# Altium PCB 10515.0462_全联供主板(2拼版)_V1.0.PcbDoc (part 4 of 18) (continued)
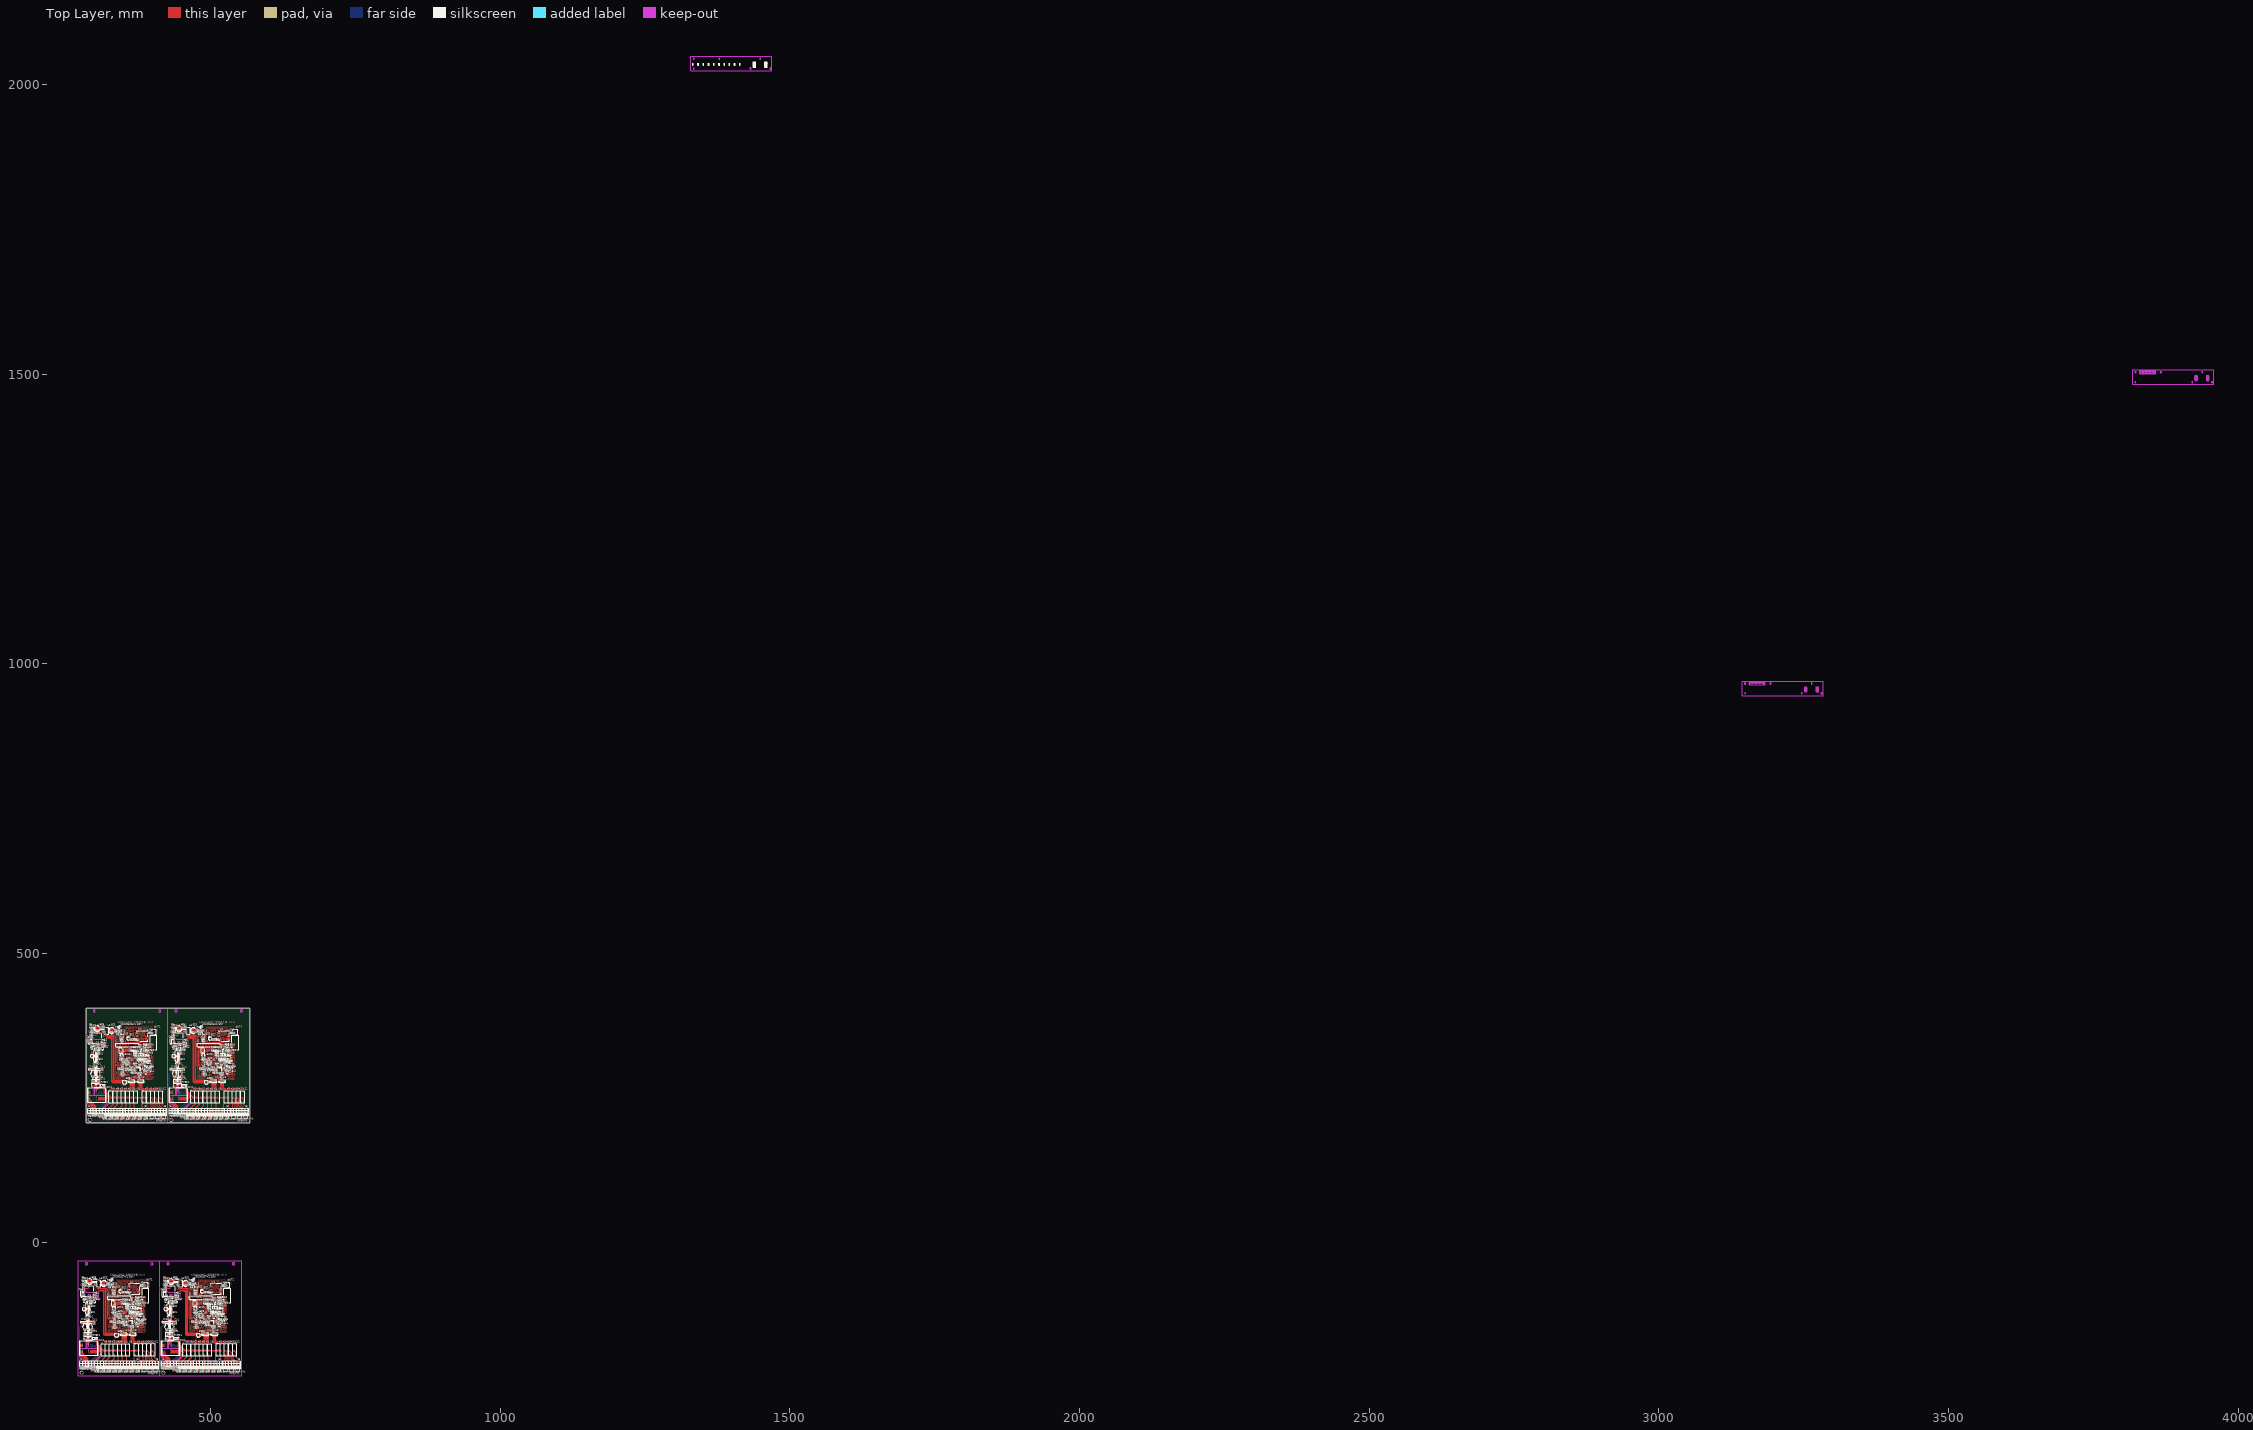
[diagram p0: Top Layer view]
## Nets (pads, with @x,y where several pads share a name; then routed paths per layer and width w, separated by ;. In a path a pad name is that pad's centre, name@x,y a point inside that pad or via, vN(x,y) a via of type N, cw(c..) or ccw(c..) an arc to the next point about the centre after c; other vN are vias at no path point) (continued)
499.227,-98.679 499.227,-99.428 499.501,-99.702 512.69,-99.702 513.109,-100.121 513.109,-100.864 513.109,-113.202 513.344,-113.437 514.233,-113.437 514.614,-113.818 ; 496.061,-93.917 cw(c496.061,-95.516) 497.191,-94.386 cw(c498.321,-93.255) 496.723,-93.255 ; 496.061,-93.717 cw(c496.061,-94.833) 496.85,-94.044 cw(c497.638,-93.255) 496.523,-93.255 ; 496.061,-93.255 497.215,-94.41 497.215,-97.543 497.469,-97.797 498.911,-97.797 499.311,-98.197 505.871,-98.197 ; 496.099,-105.32 496.099,-106.298 495.703,-106.694 495.703,-123.216 495.703,-123.26 496.072,-123.629 501.819,-123.629 502.772,-124.582 502.772,-131.621 ; 496.099,-103.669 496.443,-103.669 496.106,-103.669 ; 496.131,-129.754 496.131,-130.514 496.453,-130.836 497.596,-130.836 ; 496.233,-154.85 496.233,-152.818 496.868,-152.183 500.297,-152.183 501.272,-151.208 501.272,-143.921 ; v1(496.239,329.381) 495.75,329.87 495.75,344.494 495.75,345.256 496.347,345.853 529.983,345.853 530.656,346.526 530.656,349.955 531.166,350.465 531.632,350.465 ; 496.324,-114.27 ccw(c495.778,-113.724) 496.551,-113.724 ; 496.334,-112.96 cw(c495.811,-113.483) 496.551,-113.483 cw(c497.29,-113.483) 496.767,-112.96 ; v1(496.366,326.206) 496.493,326.333 504.897,326.333 505.332,325.899 505.332,303.949 505.33,303.947 505.33,302.746 505.332,302.744 505.332,302.023 505.781,301.574 509.001,301.574 ; v1@496.401,326.171 cw(c496.793,325.779) 496.793,326.333 ; v1@496.543,326.03 cw(c497.276,325.296) 497.276,326.333 ; 496.551,-114.439 496.551,-112.743 ; 496.551,-113.77 ccw(c497.258,-113.77) 496.758,-114.27 ; 496.707,340.255 cw(c496.024,339.572) 496.99,339.572 cw(c497.955,339.572) 497.273,340.255 ; v1@496.751,345.002 cw(c496.147,345.002) 496.574,344.576 cw(c497.001,344.149) v1@497.001,344.752 ; v1@496.824,329.05 ccw(c496.397,329.477) 497.001,329.477 ccw(c497.604,329.477) v1@497.178,329.05 ; 496.99,340.8 496.99,330.282 497.651,329.62 497.651,328.731 498.212,328.17 506.594,328.17 506.932,327.832 506.932,310.839 507.313,310.458 512.627,310.458 513.401,309.685 513.401,304.974 ; 496.99,343.34 497.79,342.54 497.79,330.128 498.051,329.867 498.051,328.897 498.378,328.57 506.76,328.57 507.332,327.998 507.332,311.303 507.669,310.966 513.127,310.966 513.901,310.193 513.901,304.974 ; v1(497.001,328.873) 497.001,329.635 496.15,330.486 496.15,344.151 v1(497.001,345.002) ; 497.024,342.881 cw(c497.144,342.179) 497.647,342.682 ; v1@497.382,324.559 cw(c497.382,323.956) 497.809,324.383 cw(c498.235,324.809) v1@497.632,324.809 ; v1(497.382,324.809) 498.032,324.159 499.287,324.159 499.537,324.409 503.878,324.409 504.132,324.155 504.132,304.446 504.13,304.444 504.13,302.249 504.132,302.247 504.132,301.457 505.514,300.074 509.001,300.074 ; 497.39,343.078 ccw(c497.723,343.078) 497.487,342.842 ; 497.457,-130.836 cw(c497.457,-131.271) 497.765,-130.963 ; 497.543,295.461 497.543,294.202 ; 497.66,-130.9 ccw(c497.772,-130.788) 497.772,-130.946 ; 497.762,-130.959 ccw(c497.596,-131.01) 497.596,-130.836 ; 497.772,-143.921 497.772,-141.963 498.104,-141.631 504.835,-141.631 505.455,-141.011 505.455,-133.645 505.978,-133.122 v1(506.613,-133.122) ; 497.772,-131.621 497.772,-131.012 497.596,-130.836 ; 497.782,-129.754 498.272,-130.244 498.272,-131.621 ; 497.833,-130.061 cw(c497.855,-130.623) 498.253,-130.225 cw(c498.587,-129.891) 498.122,-129.808 ; 497.985,-116.474 cw(c497.462,-116.997) 498.202,-116.997 cw(c498.941,-116.997) 498.418,-116.474 ; v1@498.094,344.318 cw(c497.667,343.891) 498.271,343.891 cw(c498.874,343.891) v1@498.448,344.318 ; 498.202,-116.257 498.202,-120.243 498.202,-122.818 498.599,-123.216 502.93,-123.216 503.272,-123.558 503.272,-131.621 ; v1(498.271,344.494) 498.271,330.213 498.73,329.754 ; 498.601,-95.795 498.601,-96.916 498.866,-97.181 502.422,-97.181 503.946,-95.657 505.871,-95.657 ; 498.601,-93.917 cw(c498.601,-95.516) 499.731,-94.386 cw(c500.861,-93.255) 499.263,-93.255 ; 498.601,-93.717 cw(c498.601,-94.833) 499.39,-94.044 cw(c500.178,-93.255) 499.063,-93.255 ; 498.601,-93.255 499.86,-94.514 501.857,-94.514 502.619,-93.752 524.52,-93.752 525.047,-94.279 525.047,-144.533 524.412,-145.168 511.224,-145.168 510.692,-144.636 510.692,-141.115 510.098,-140.521 507.672,-140.521 ; v1@498.602,329.431 ccw(c498.294,329.739) 498.73,329.739 ; v1(498.652,324.809) 504.367,324.809 504.532,324.644 504.532,304.28 504.53,304.278 504.53,302.415 504.532,302.413 504.532,301.622 505.58,300.574 509.001,300.574 ; v1(498.779,329.254) 498.73,329.304 498.73,329.754 ; v1@498.829,324.633 cw(c499.255,324.206) 499.255,324.809 cw(c499.255,325.413) v1@498.829,324.986 ; 498.841,342.651 cw(c499.407,342.085) 499.505,342.88 ; v1@498.897,329.475 cw(c499.046,329.754) 498.73,329.754 ; 499.032,342.842 ccw(c498.797,343.078) 499.13,343.078 ; 499.245,300.16 499.271,300.135 ; 499.247,340.255 cw(c498.564,339.572) 499.53,339.572 cw(c500.495,339.572) 499.813,340.255 ; 499.53,340.8 499.53,330.155 500.314,329.37 507.807,329.37 508.132,329.045 508.132,312.192 508.558,311.766 514.089,311.766 514.901,310.955 514.901,304.974 ; 499.53,343.34 498.682,342.493 498.682,330.367 500.079,328.97 507.318,328.97 507.732,328.556 507.732,311.684 508.05,311.366 513.608,311.366 514.401,310.574 514.401,304.974 ; 499.57,-80.413 ccw(c498.887,-81.096) 498.887,-80.13 ; 499.57,-79.847 cw(c498.887,-79.164) 498.887,-80.13 ; 499.57,-74.413 ccw(c498.887,-75.096) 498.887,-74.13 ccw(c498.887,-73.164) 499.57,-73.847 ; 499.57,-72.413 ccw(c498.887,-73.096) 498.887,-72.13 ccw(c498.887,-71.164) 499.57,-71.847 ; 499.89,-119.126 cw(c499.367,-119.649) 500.107,-119.649 cw(c500.846,-119.649) 500.323,-119.126 ; v1@499.922,323.666 v1(500.176,323.666) 503.097,323.666 503.732,323.031 503.732,304.612 503.73,304.61 503.73,302.083 503.732,302.081 503.732,301.21 505.368,299.574 509.001,299.574 ; 500.107,-118.909 500.107,-121.154 500.263,-121.311 507.629,-121.311 507.968,-121.65 507.968,-131.177 507.524,-131.621 505.272,-131.621 ; 500.303,-80.13 498.887,-80.13 ; v1@500.307,330.143 ccw(c499.703,330.143) 500.13,330.57 ccw(c500.557,330.997) v1@500.557,330.393 ; v1@500.353,323.49 cw(c500.779,323.063) 500.779,323.666 cw(c500.779,324.27) v1@500.353,323.843 ; v1@500.38,344.318 cw(c499.953,343.891) 500.557,343.891 cw(c501.16,343.891) v1@500.734,344.318 ; v1(500.557,330.143) 500.049,330.651 500.049,339.426 500.557,339.934 v1(500.557,344.494) ; 500.73,300.135 500.756,300.135 ; 500.816,298.48 cw(c500.133,297.797) 501.099,297.797 cw(c502.064,297.797) 501.382,298.48 ; 501.099,298.763 501.099,297.747 501.283,297.563 508.99,297.563 509.001,297.574 ; 501.141,-93.255 525.04,-93.255 525.447,-93.663 525.447,-144.768 524.647,-145.568 511.058,-145.568 510.203,-144.713 510.203,-141.388 509.836,-141.021 507.672,-141.021 ; 501.313,-95.623 501.141,-95.795 502.784,-94.152 524.158,-94.152 524.647,-94.641 524.647,-144.367 524.246,-144.768 511.389,-144.768 511.092,-144.471 511.092,-140.753 510.36,-140.021 507.672,-140.021 ; 501.468,-93.582 cw(c502.256,-94.371) 502.256,-93.255 cw(c502.256,-92.14) 501.468,-92.929 ; 501.609,-93.724 cw(c502.739,-94.854) 502.739,-93.255 cw(c502.739,-91.657) 501.609,-92.787 ; 501.758,-109.765 501.782,-109.79 ; 501.772,-143.921 501.772,-151.649 502.587,-152.464 503.753,-152.464 503.98,-152.691 503.98,-154.85 ; 501.78,-114.423 501.948,-114.591 ; 501.78,-112.803 501.782,-112.801 ; 502.065,282.672 ccw(c501.638,283.099) 502.242,283.099 ccw(c502.845,283.099) 502.419,282.672 ; 502.135,300.498 502.462,300.171 504.135,300.171 505.233,299.074 509.001,299.074 ; 502.242,281.745 502.242,286.317 502.896,286.971 511.386,286.971 511.901,287.486 511.901,292.674 ; 502.272,-143.921 502.272,-151.387 502.949,-152.064 504.877,-152.064 505.25,-152.437 505.25,-154.85 ; 502.526,331.058 cw(c502.003,330.535) 502.743,330.535 cw(c503.483,330.535) 502.96,331.058 ; 502.623,298.763 502.623,298.31 502.97,297.963 507.746,297.963 507.857,298.074 509.001,298.074 ; 502.687,299.943 cw(c503.238,299.393) 503.238,300.171 ; 502.687,300.377 ccw(c503.183,300.872) 503.183,300.171 ; 502.743,331.275 502.743,330.124 503.097,329.77 508.143,329.77 508.532,329.381 508.532,312.49 508.856,312.166 514.697,312.166 515.401,311.463 515.401,304.974 ; 502.743,332.926 v1@503.385,332.926 ; 502.772,-143.921 502.772,-150.998 503.438,-151.664 506.255,-151.664 506.52,-151.929 506.52,-154.85 ; 503.028,332.745 cw(c503.385,332.484) v1@503.385,332.926 ; 503.028,333.107 ccw(c503.385,333.368) v1@503.385,332.926 ; 503.272,-143.921 503.272,-147.357 503.853,-147.938 503.853,-148.31 ; 503.335,282.672 ccw(c502.908,283.099) 503.512,283.099 ccw(c504.115,283.099) 503.689,282.672 ; v1@503.335,332.749 ccw(c502.908,332.323) 502.908,332.926 ccw(c502.908,333.53) v1@503.335,333.103 ; 503.443,-147.528 cw(c502.709,-148.262) 503.747,-148.271 ; v1@503.502,-122.25 cw(c502.851,-122.901) 503.772,-122.901 ; 503.512,281.745 503.512,285.809 504.274,286.571 511.767,286.571 512.401,287.205 512.401,292.674 ; v1@503.644,-122.108 cw(c503.334,-122.418) 503.772,-122.418 ; 503.772,-143.921 503.772,-147.149 504.107,-147.484 504.869,-147.484 505.123,-147.738 505.123,-150.856 505.377,-151.11 507.479,-151.11 507.79,-151.421 507.79,-154.85 ; 503.772,-131.621 v1@503.772,-122.166 ; 503.772,-122.452 cw(c504.058,-122.452) v1@503.856,-122.25 ; 503.772,-116.75 503.772,-116.641 ; 503.78,-147.865 cw(c503.378,-148.268) 503.947,-148.273 ; 503.803,-153.924 ccw(c503.376,-153.497) 503.98,-153.497 ccw(c504.584,-153.497) 504.157,-153.924 ; 504.272,-143.921 504.272,-146.868 504.488,-147.084 505.035,-147.084 505.523,-147.573 505.523,-150.475 505.758,-150.71 508.603,-150.71 509.06,-151.167 509.06,-154.85 ; 504.272,-130.403 cw(c506.139,-130.403) 504.819,-129.082 ; 504.272,-129.92 cw(c505.657,-129.92) 504.678,-128.941 ; 504.272,-129.64 504.272,-131.621 504.272,-128.878 ; 504.272,-129.437 cw(c505.174,-129.437) 504.536,-128.799 ; 504.311,295.358 ccw(c503.788,295.881) 504.528,295.881 ccw(c505.267,295.881) 504.744,295.358 ; 504.336,298.574 509.001,298.574 ; 504.528,295.103 504.528,296.574 ; 504.605,282.672 ccw(c504.178,283.099) 504.782,283.099 ccw(c505.385,283.099) 504.959,282.672 ; 504.764,-145.449 cw(c504.175,-146.037) 505.007,-146.037 ; 504.772,-131.621 504.772,-130.055 504.996,-129.831 506.139,-129.831 506.291,-129.679 506.291,-128.865 ; 504.782,281.745 504.782,285.428 505.474,286.12 512.332,286.12 512.901,286.689 512.901,292.674 ; 504.855,-145.541 ccw(c505.314,-145.083) 505.314,-145.731 ; 505.073,-153.924 ccw(c504.646,-153.497) 505.25,-153.497 ccw(c505.854,-153.497) 505.427,-153.924 ; 505.351,-119.126 cw(c504.828,-119.649) 505.568,-119.649 cw(c506.307,-119.649) 505.784,-119.126 ; 505.352,-146.037 504.772,-145.458 504.772,-143.921 504.772,-142.271 506.105,-140.938 v1(506.105,-139.091) 506.105,-136.297 506.381,-136.021 507.672,-136.021 510.026,-136.021 510.28,-135.767 510.28,-134.937 510.407,-134.937 ; 505.411,-98.657 ccw(c504.301,-99.766) 504.301,-98.197 ccw(c504.301,-96.628) 505.411,-97.737 ; 505.411,-96.117 ccw(c504.301,-97.226) 504.301,-95.657 ccw(c504.301,-94.088) 505.411,-95.197 ; 505.553,-98.515 ccw(c504.784,-99.283) 504.784,-98.197 ccw(c504.784,-97.111) 505.553,-97.879 ; 505.553,-95.975 ccw(c504.784,-96.743) 504.784,-95.657 ccw(c504.784,-94.571) 505.553,-95.339 ; 505.568,-118.909 505.568,-120.646 505.832,-120.911 508.01,-120.911 508.368,-121.269 508.368,-133.641 ; 505.875,282.672 ccw(c505.448,283.099) 506.052,283.099 ccw(c506.655,283.099) 506.229,282.672 ; v1@505.928,-139.268 cw(c505.502,-139.695) 506.105,-139.695 cw(c506.709,-139.695) v1@506.282,-139.268 ; v1@505.928,-138.914 ccw(c505.502,-138.487) 506.105,-138.487 ccw(c506.709,-138.487) v1@506.282,-138.914 ; 506.052,281.745 506.052,285.174 506.598,285.72 512.821,285.72 513.401,286.3 513.401,292.674 ; 506.075,-129.082 cw(c505.552,-129.605) 506.291,-129.605 cw(c507.031,-129.605) 506.508,-129.082 ; 506.089,331.058 cw(c505.566,330.535) 506.306,330.535 cw(c507.045,330.535) 506.522,331.058 ; 506.261,334.654 v1@506.891,334.654 ; 506.286,295.105 506.356,295.105 ; 506.306,331.275 506.306,330.517 506.653,330.17 508.658,330.17 508.932,329.897 508.932,312.871 508.932,312.827 509.193,312.566 515.178,312.566 515.901,311.844 515.901,304.974 ; 506.306,332.926 v1(507.068,332.926) ; 506.343,-153.924 ccw(c505.916,-153.497) 506.52,-153.497 ccw(c507.124,-153.497) 506.697,-153.924 ; 506.356,293.454 507.093,293.454 ; 506.358,-145.313 cw(c505.633,-146.037) 506.658,-146.037 ; v1@506.436,-133.299 ccw(c506.01,-133.726) 506.01,-133.122 ccw(c506.01,-132.518) v1@506.436,-132.945 ; 506.549,334.477 cw(c506.891,334.236) v1@506.891,334.654 ; 506.549,334.831 ccw(c506.891,335.073) v1@506.891,334.654 ; 506.564,332.713 cw(c507.068,332.224) v1(507.068,332.926) ; 506.564,333.139 ccw(c507.068,333.628) v1(507.068,332.926) ; 506.573,293.238 cw(c507.093,292.72) 507.093,293.454 ; 506.573,293.671 ccw(c507.093,294.189) 507.093,293.454 ; 506.643,-145.598 ccw(c506.965,-145.276) 506.965,-145.731 ; 506.699,-145.654 cw(c506.316,-146.037) 506.858,-146.037 ; 506.74,-145.695 506.232,-145.187 505.47,-145.187 505.272,-144.989 505.272,-143.921 505.272,-142.337 506.088,-141.521 507.672,-141.521 507.104,-141.521 ; v1@506.841,334.477 ccw(c506.414,334.051) 506.414,334.654 ccw(c506.414,335.258) v1@506.841,334.831 ; v1@506.891,332.749 ccw(c506.464,332.323) 506.464,332.926 ccw(c506.464,333.53) v1@506.891,333.103 ; 507.145,282.672 ccw(c506.718,283.099) 507.322,283.099 ccw(c507.925,283.099) 507.499,282.672 ; 507.15,342.678 cw(c507.15,341.08) 508.28,342.21 cw(c509.41,343.34) 507.812,343.34 ; 507.15,342.878 cw(c507.15,341.763) 507.938,342.551 cw(c508.727,343.34) 507.612,343.34 ; 507.15,343.34 508.431,342.059 508.431,338.271 508.704,337.998 512.114,337.998 512.452,337.66 512.452,336.79 512.749,336.493 525.957,336.493 526.338,336.112 526.338,323.031 526.846,322.523 526.846,322.079 ; 507.322,281.745 507.322,284.666 507.976,285.32 513.183,285.32 513.901,286.038 513.901,292.674 ; v1@507.379,-133.122 ccw(c506.776,-133.122) 507.202,-132.695 ccw(c507.629,-132.268) v1@507.629,-132.872 ; v1@507.415,355.035 510.463,355.035 511.079,355.035 511.333,355.289 511.333,363.811 511.987,364.465 513.932,364.465 ; v1@507.542,295.574 509.001,295.574 ; 507.613,-153.924 ccw(c507.186,-153.497) 507.79,-153.497 ccw(c508.394,-153.497) 507.967,-153.924 ; 507.672,-139.521 510.622,-139.521 512.045,-140.944 512.362,-140.944 512.426,-140.944 513.124,-140.245 516.045,-140.245 516.37,-140.57 ; 507.672,-139.021 512.091,-139.021 ; 507.672,-138.521 511.731,-138.521 513.782,-136.471 513.782,-132.018 514.515,-131.285 ; 507.672,-138.021 511.666,-138.021 513.382,-136.305 513.382,-130.074 513.763,-129.693 515.63,-129.693 515.903,-129.42 515.903,-121.311 516.157,-121.057 520.71,-121.057 521.103,-120.665 521.103,-118.864 ; 507.672,-137.521 511.6,-137.521 512.982,-136.139 512.982,-129.82 513.509,-129.293 515.249,-129.293 515.503,-129.039 515.503,-117.755 516.045,-117.213 ; 507.672,-137.021 511.534,-137.021 512.582,-135.974 512.582,-129.185 512.874,-128.893 514.741,-128.893 515.103,-128.531 515.103,-117.139 515.884,-116.358 v1(515.884,-116.104) ; 507.672,-136.521 511.469,-136.521 512.182,-135.808 512.182,-128.95 512.816,-128.316 512.816,-125.031 ; 507.672,-135.521 509.46,-135.521 509.701,-135.281 509.701,-133.992 510.407,-133.286 ; 507.672,-135.021 508.905,-135.021 509.301,-134.626 509.301,-126.285 509.282,-126.266 509.282,-121.908 509.859,-121.33 513.706,-121.33 514.595,-120.441 514.595,-116.059 514.614,-116.04 ; 507.672,-134.521 508.481,-134.521 508.776,-134.227 508.776,-133.513 508.772,-133.509 508.772,-121.565 509.534,-120.803 512.836,-120.803 513.217,-120.422 513.217,-116.04 ; 507.672,-134.021 507.988,-134.021 508.368,-133.641 ; v1(507.923,354.273) 508.177,354.527 510.209,354.527 511.479,354.527 511.733,354.781 511.733,355.416 511.733,362.02 512.178,362.465 513.932,362.465 ; 508.018,294.932 cw(c508.336,294.614) 508.336,295.064 ; 508.071,294.986 cw(c508.275,294.782) 508.334,295.064 ; 508.337,-134.511 ccw(c508.337,-134.139) 508.6,-134.402 ; 508.345,-134.015 cw(c508.568,-133.841) 508.368,-133.641 ; 508.415,282.672 ccw(c507.988,283.099) 508.592,283.099 ccw(c509.195,283.099) 508.769,282.672 ; v1@508.558,353.638 511.098,353.638 511.987,353.638 512.241,353.892 512.241,356.211 512.495,356.465 ; 508.592,281.745 508.592,284.412 509.1,284.92 513.672,284.92 514.401,285.649 514.401,292.674 ; v1@508.735,353.462 cw(c509.161,353.035) 509.161,353.638 cw(c509.161,354.242) v1@508.735,353.815 ; 508.883,-153.924 ccw(c508.456,-153.497) 509.06,-153.497 ccw(c509.664,-153.497) 509.237,-153.924 ; 509.001,295.074 508.159,295.074 507.449,294.363 507.449,293.81 507.093,293.454 ; 509.001,296.074 518.396,296.074 518.684,296.361 518.684,303.185 519.622,304.123 520.608,304.123 v1(521.258,303.473) ; 509.001,296.574 504.528,296.574 ; 509.001,297.074 497.84,297.074 497.543,296.776 497.543,294.202 ; 509.001,301.074 505.646,301.074 504.932,301.788 504.932,302.578 504.93,302.58 504.93,304.113 504.932,304.115 504.932,325.385 504.745,325.571 496.65,325.571 496.635,325.556 495.619,325.556 495.35,325.825 ; 509.001,302.074 506.043,302.074 505.732,302.385 505.732,302.91 505.73,302.912 505.73,303.781 505.732,303.783 505.732,326.274 505.036,326.97 493.259,326.97 492.71,327.519 492.71,346.68 493.191,347.161 528.751,347.161 529.259,347.669 529.259,355.797 529.927,356.465 531.632,356.465 ; 509.001,302.574 506.409,302.574 506.132,302.851 506.132,303.075 506.13,303.077 506.13,303.616 506.132,303.618 506.132,326.782 505.544,327.37 493.424,327.37 493.11,327.685 493.11,345.175 ; 509.222,340.332 cw(c508.092,339.202) 509.69,339.202 cw(c511.288,339.202) 510.158,340.332 ; 509.363,340.473 cw(c508.574,339.685) 509.69,339.685 cw(c510.805,339.685) 510.016,340.473 ; 509.511,331.058 cw(c508.988,330.535) 509.728,330.535 cw(c510.468,330.535) 509.945,331.058 ; 509.544,306.624 cw(c509.02,306.101) 509.76,306.101 cw(c510.5,306.101) 509.977,306.624 ; 509.685,282.672 ccw(c509.258,283.099) 509.862,283.099 ccw(c510.465,283.099) 510.039,282.672 ; 509.69,340.8 509.69,338.664 509.955,338.398 512.374,338.398 512.856,337.916 512.856,337.167 513.13,336.893 526.319,336.893 526.738,336.474 526.738,335.731 526.738,323.393 526.973,323.158 527.862,323.158 528.243,322.777 528.243,322.079 ; 509.69,342.678 cw(c509.69,341.08) 510.82,342.21 cw(c511.95,343.34) 510.352,343.34 ; 509.69,342.878 cw(c509.69,341.763) 510.478,342.551 cw(c511.267,343.34) 510.152,343.34 ; 509.69,343.34 510.844,342.186 510.844,339.052 511.098,338.798 512.54,338.798 512.94,338.398 519.499,338.398 ; 509.728,331.275 509.728,330.297 509.332,329.901 509.332,313.379 509.332,313.335 509.701,312.966 515.448,312.966 516.401,312.014 516.401,304.974 ; 509.728,332.926 510.072,332.926 509.735,332.926 ; 509.76,306.841 509.76,306.081 510.082,305.759 511.225,305.759 ; 509.819,-133.874 cw(c510.407,-134.462) 510.407,-133.63 ; 509.862,281.745 509.862,283.777 510.497,284.412 513.926,284.412 514.901,285.387 514.901,292.674 ; 509.911,-133.782 ccw(c509.453,-133.324) 510.101,-133.324 ; 509.953,322.325 ccw(c509.407,322.871) 510.179,322.871 ; 509.963,323.635 cw(c509.44,323.112) 510.179,323.112 cw(c510.919,323.112) 510.396,323.635 ; 510.179,322.156 510.179,323.852 ; 510.179,322.826 ccw(c510.887,322.826) 510.386,322.325 ; 510.19,-135.192 cw(c509.974,-135.408) 510.28,-135.408 cw(c510.69,-135.407) 510.465,-135.064 ; 510.28,-135.777 cw(c510.933,-135.777) 510.575,-135.231 ; 510.792,-123.38 512.816,-123.38 ; 511.059,-139.021 cw(c511.059,-140.558) 512.145,-139.471 ; 511.086,305.759 cw(c511.086,305.324) 511.394,305.632 ; 511.143,-123.631 cw(c511.747,-124.235) 511.747,-123.38 ; 511.143,-123.157 ccw(c511.682,-122.617) 511.682,-123.38 ; 511.232,-140.131 ccw(c512.362,-139.001) 512.362,-140.599 ccw(c512.362,-139.614) 513.059,-140.311 ; 511.284,-123.772 cw(c512.229,-124.718) 512.229,-123.38 ; 511.284,-123.015 ccw(c512.165,-122.134) 512.165,-123.38 ; 511.289,305.695 ccw(c511.401,305.807) 511.401,305.649 ; 511.391,305.636 ccw(c511.225,305.586) 511.225,305.759 ; 511.401,292.674 511.401,294.632 511.733,294.964 518.464,294.964 519.084,295.584 519.084,302.95 519.607,303.473 v1(520.242,303.473) ; 511.401,304.974 511.401,305.584 511.225,305.759 ; 511.41,-111.278 511.727,-111.595 ; 511.411,306.841 511.901,306.351 511.901,304.974 ; 511.461,306.535 cw(c511.484,305.973) 511.882,306.371 cw(c512.215,306.704) 511.751,306.787 ; 511.542,-139.021 cw(c511.542,-140.075) 512.287,-139.33 ; 511.573,-140.473 ccw(c512.362,-139.684) 512.362,-140.799 ccw(c512.362,-140.297) 512.717,-140.652 ; 511.614,320.122 cw(c511.091,319.599) 511.83,319.599 cw(c512.57,319.599) 512.047,320.122 ; 511.83,320.338 511.83,316.353 511.83,313.777 512.228,313.379 516.559,313.379 516.901,313.038 516.901,304.974 ; 511.915,-140.814 ccw(c512.362,-140.367) 512.362,-140.999 ; 512.024,-139.021 cw(c512.024,-139.592) 512.428,-139.189 ; 512.23,340.8 512.23,339.68 512.495,339.414 516.051,339.414 517.575,340.938 519.499,340.938 ; 512.23,342.678 cw(c512.23,341.08) 513.36,342.21 cw(c514.49,343.34) 512.892,343.34 ; 512.23,342.878 cw(c512.23,341.763) 513.018,342.551 cw(c513.807,343.34) 512.692,343.34 ; 512.23,343.34 513.488,342.081 515.486,342.081 516.248,342.843 538.149,342.843 538.676,342.316 538.676,292.062 538.041,291.427 524.853,291.427 524.321,291.959 524.321,295.48 523.727,296.074 521.301,296.074 ; 512.6,-125.286 cw(c512.077,-125.809) 512.816,-125.809 cw(c513.556,-125.809) 513.033,-125.286 ; 512.6,-123.597 ccw(c512.077,-124.12) 512.077,-123.38 ccw(c512.077,-122.641) 512.6,-123.164 ; 512.668,-140.906 cw(c513.163,-140.906) 512.813,-140.556 ; 512.808,-113.663 cw(c512.069,-114.402) 513.111,-114.482 ; 513,-116.434 cw(c512.477,-116.957) 513.217,-116.957 cw(c513.957,-116.957) 513.434,-116.434 ; 513.116,-113.97 cw(c512.64,-114.446) 513.31,-114.497 ; 513.125,-114.198 ccw(c513.085,-114.072) 513.217,-114.072 ; 513.199,356.183 ccw(c512.516,355.5) 512.516,356.465 ; 513.199,356.748 cw(c512.516,357.431) 512.516,356.465 ; 513.199,362.183 ccw(c512.516,361.5) 512.516,362.465 ccw(c512.516,363.431) 513.199,362.748 ; 513.199,364.183 ccw(c512.516,363.5) 512.516,364.465 ccw(c512.516,365.431) 513.199,364.748 ; 513.217,-114.516 513.217,-114.072 ; 513.309,-114.198 cw(c513.349,-114.072) 513.217,-114.072 ; 513.519,317.469 cw(c512.996,316.946) 513.735,316.946 cw(c514.475,316.946) 513.952,317.469 ; 513.735,317.686 513.735,315.441 513.892,315.284 521.258,315.284 521.597,314.946 521.597,305.418 521.153,304.974 518.901,304.974 ; 513.782,-135.292 515.213,-135.292 ; 513.932,356.465 512.516,356.465 ; 514.397,-116.434 cw(c513.92,-116.912) 514.595,-116.912 ; 514.413,-114.258 ccw(c514.031,-113.818) 514.614,-113.818 ; 514.595,-117.002 cw(c515.399,-117.002) 514.831,-116.434 ; 514.614,-114.516 514.614,-113.818 ; 514.77,343.34 538.668,343.34 539.076,342.932 539.076,291.827 538.276,291.027 524.687,291.027 523.832,291.883 523.832,295.207 523.465,295.574 521.301,295.574 ; 514.815,-114.258 cw(c515.197,-113.818) 514.614,-113.818 ; 514.942,340.972 514.77,340.8 516.413,342.443 537.787,342.443 538.276,341.954 538.276,292.228 537.875,291.827 525.018,291.827 524.721,292.125 524.721,295.842 523.989,296.574 521.301,296.574 ; 514.958,-135.509 ccw(c514.435,-136.032) 514.435,-135.292 ccw(c514.435,-134.553) 514.958,-135.076 ; 515.096,343.013 cw(c515.885,342.225) 515.885,343.34 cw(c515.885,344.455) 515.096,343.667 ; 515.238,342.872 cw(c516.368,341.742) 516.368,343.34 cw(c516.368,344.938) 515.238,343.808 ; 515.386,326.83 515.411,326.806 ; 515.401,292.674 515.401,284.947 516.216,284.131 517.381,284.131 517.609,283.904 517.609,281.745 ; 515.408,322.172 515.577,322.004 ; 515.408,323.792 515.411,323.794 ; 515.583,-117.675 cw(c516.358,-118.45) 516.449,-117.358 ; 515.888,-117.37 cw(c516.405,-117.886) 516.465,-117.158 ; 515.901,292.674 515.901,285.209 516.578,284.531 518.505,284.531 518.879,284.158 518.879,281.745 ; 516.164,-117.302 ccw(c516.045,-117.338) 516.045,-117.213 ; 516.164,-117.125 cw(c516.045,-117.089) 516.045,-117.213 ; 516.191,-140.837 ccw(c516.082,-140.57) 516.37,-140.57 ; v1@516.287,-119.97 cw(c515.925,-120.36) 516.457,-120.36 ; 516.37,-141.402 516.37,-140.57 ; 516.401,292.674 516.401,285.598 517.067,284.931 519.883,284.931 520.149,284.666 520.149,281.745 ; v1(516.457,-119.787) 516.457,-120.36 ; 516.457,-117.213 516.045,-117.213 ; 516.549,-140.837 cw(c516.658,-140.57) 516.37,-140.57 ; v1@516.627,-119.97 ccw(c516.989,-120.36) 516.457,-120.36 ; 516.901,292.674 516.901,289.238 517.482,288.657 517.482,288.286 ; 516.902,-135.254 516.864,-135.292 518.649,-135.292 ; 516.902,-133.648 516.902,-133.521 ; 517.027,-88.366 cw(c519.789,-88.366) 517.836,-86.413 ; 517.027,-87.883 cw(c519.306,-87.883) 517.695,-86.271 ; 517.027,-87.4 cw(c518.823,-87.4) 517.553,-86.13 ; 517.027,-86.917 cw(c518.34,-86.917) 517.412,-85.989 ; 517.071,289.067 cw(c516.338,288.334) 517.375,288.325 ; 517.118,-135.509 cw(c517.641,-136.032) 517.641,-135.292 cw(c517.641,-134.553) 517.118,-135.076 ; v1@517.131,314.346 cw(c516.48,313.695) 517.401,313.695 ; 517.159,-86.201 cw(c516.661,-86.29) 517.019,-86.648 cw(c517.357,-86.986) 517.464,-86.52 ; 517.204,-84.326 ccw(c516.87,-84.513) 516.87,-84.13 ; 517.204,-83.934 cw(c516.87,-83.747) 516.87,-84.13 ; 517.27,-82.413 ccw(c516.587,-83.096) 516.587,-82.13 ccw(c516.587,-81.164) 517.27,-81.847 ; 517.27,-80.413 ccw(c516.587,-81.096) 516.587,-80.13 ccw(c516.587,-79.164) 517.27,-79.847 ; v1@517.273,314.487 cw(c516.963,314.178) 517.401,314.178 ; 517.401,292.674 517.401,289.446 517.736,289.111 518.498,289.111 518.752,288.857 518.752,285.739 519.006,285.485 521.108,285.485 521.419,285.174 521.419,281.745 ; 517.401,304.974 v1@517.401,314.43 ; 517.401,314.143 cw(c517.687,314.143) v1@517.485,314.346 ; 517.401,319.845 517.401,319.955 ; 517.409,288.73 cw(c517.006,288.328) 517.575,288.323 ; 517.432,282.672 ccw(c517.005,283.099) 517.609,283.099 ccw(c518.212,283.099) 517.786,282.672 ; 517.901,292.674 517.901,289.727 518.117,289.511 518.663,289.511 519.152,289.023 519.152,286.12 519.387,285.885 522.232,285.885 522.689,285.428 522.689,281.745 ; 517.901,306.193 cw(c519.768,306.193) 518.448,307.513 ; 517.901,306.676 cw(c519.285,306.676) 518.306,307.655 ; 517.901,306.955 517.901,304.974 517.901,307.717 ; 517.901,307.159 cw(c518.803,307.159) 518.165,307.796 ; 518.003,-84.13 516.87,-84.13 ; 518.003,-82.13 516.584,-82.13 516.138,-82.576 516.138,-89.307 515.503,-89.942 479.943,-89.942 479.481,-90.404 479.481,-91.42 ; 518.392,291.146 cw(c517.804,290.558) 518.636,290.558 ; 518.394,-135.509 ccw(c517.871,-136.032) 517.871,-135.292 ccw(c517.871,-134.553) 518.394,-135.076 ; 518.401,304.974 518.401,306.54 518.625,306.764 519.768,306.764 519.92,306.916 519.92,307.73 ; 518.484,291.054 ccw(c518.942,291.512) 518.942,290.864 ; 518.683,-133.757 518.683,-133.698 518.683,-133.571 ; 518.702,282.672 ccw(c518.275,283.099) 518.879,283.099 ccw(c519.482,283.099) 519.056,282.672 ; 518.98,317.469 cw(c518.457,316.946) 519.196,316.946 cw(c519.936,316.946) 519.413,317.469 ; 518.98,290.558 518.401,291.138 518.401,292.674 518.401,294.324 519.734,295.657 v1(519.734,297.504) 519.734,300.298 520.009,300.574 521.301,300.574 523.655,300.574 523.909,300.828 523.909,301.659 524.036,301.659 ; 519.04,337.939 ccw(c517.93,336.829) 517.93,338.398 ccw(c517.93,339.968) 519.04,338.858 ; 519.04,340.479 ccw(c517.93,339.369) 517.93,340.938 ccw(c517.93,342.508) 519.04,341.398 ; 519.181,338.08 ccw(c518.413,337.312) 518.413,338.398 ccw(c518.413,339.485) 519.181,338.717 ; 519.181,340.62 ccw(c518.413,339.852) 518.413,340.938 ccw(c518.413,342.025) 519.181,341.257 ; 519.196,317.686 519.196,315.949 519.461,315.684 521.639,315.684 521.997,315.327 521.997,302.954 ; 519.337,-119.119 cw(c518.814,-119.642) 519.554,-119.642 cw(c520.294,-119.642) 519.771,-119.119 ; 519.554,-118.864 519.554,-120.181 519.186,-120.549 516.646,-120.549 516.457,-120.36 ; v1@519.557,297.328 cw(c519.13,296.901) 519.734,296.901 cw(c520.337,296.901) v1@519.911,297.328 ; v1@519.557,297.681 ccw(c519.13,298.108) 519.734,298.108 ccw(c520.337,298.108) v1@519.911,297.681 ; 519.704,307.513 cw(c519.18,306.99) 519.92,306.99 cw(c520.66,306.99) 520.137,307.513 ; 519.972,282.672 ccw(c519.545,283.099) 520.149,283.099 ccw(c520.752,283.099) 520.326,282.672 ; 519.987,291.283 cw(c519.262,290.558) 520.287,290.558 ; v1@520.065,303.297 ccw(c519.638,302.87) 519.638,303.473 ccw(c519.638,304.077) v1@520.065,303.65